# Altium PCB NMR_System_v2.PcbDoc (part 3 of 3) (continued)
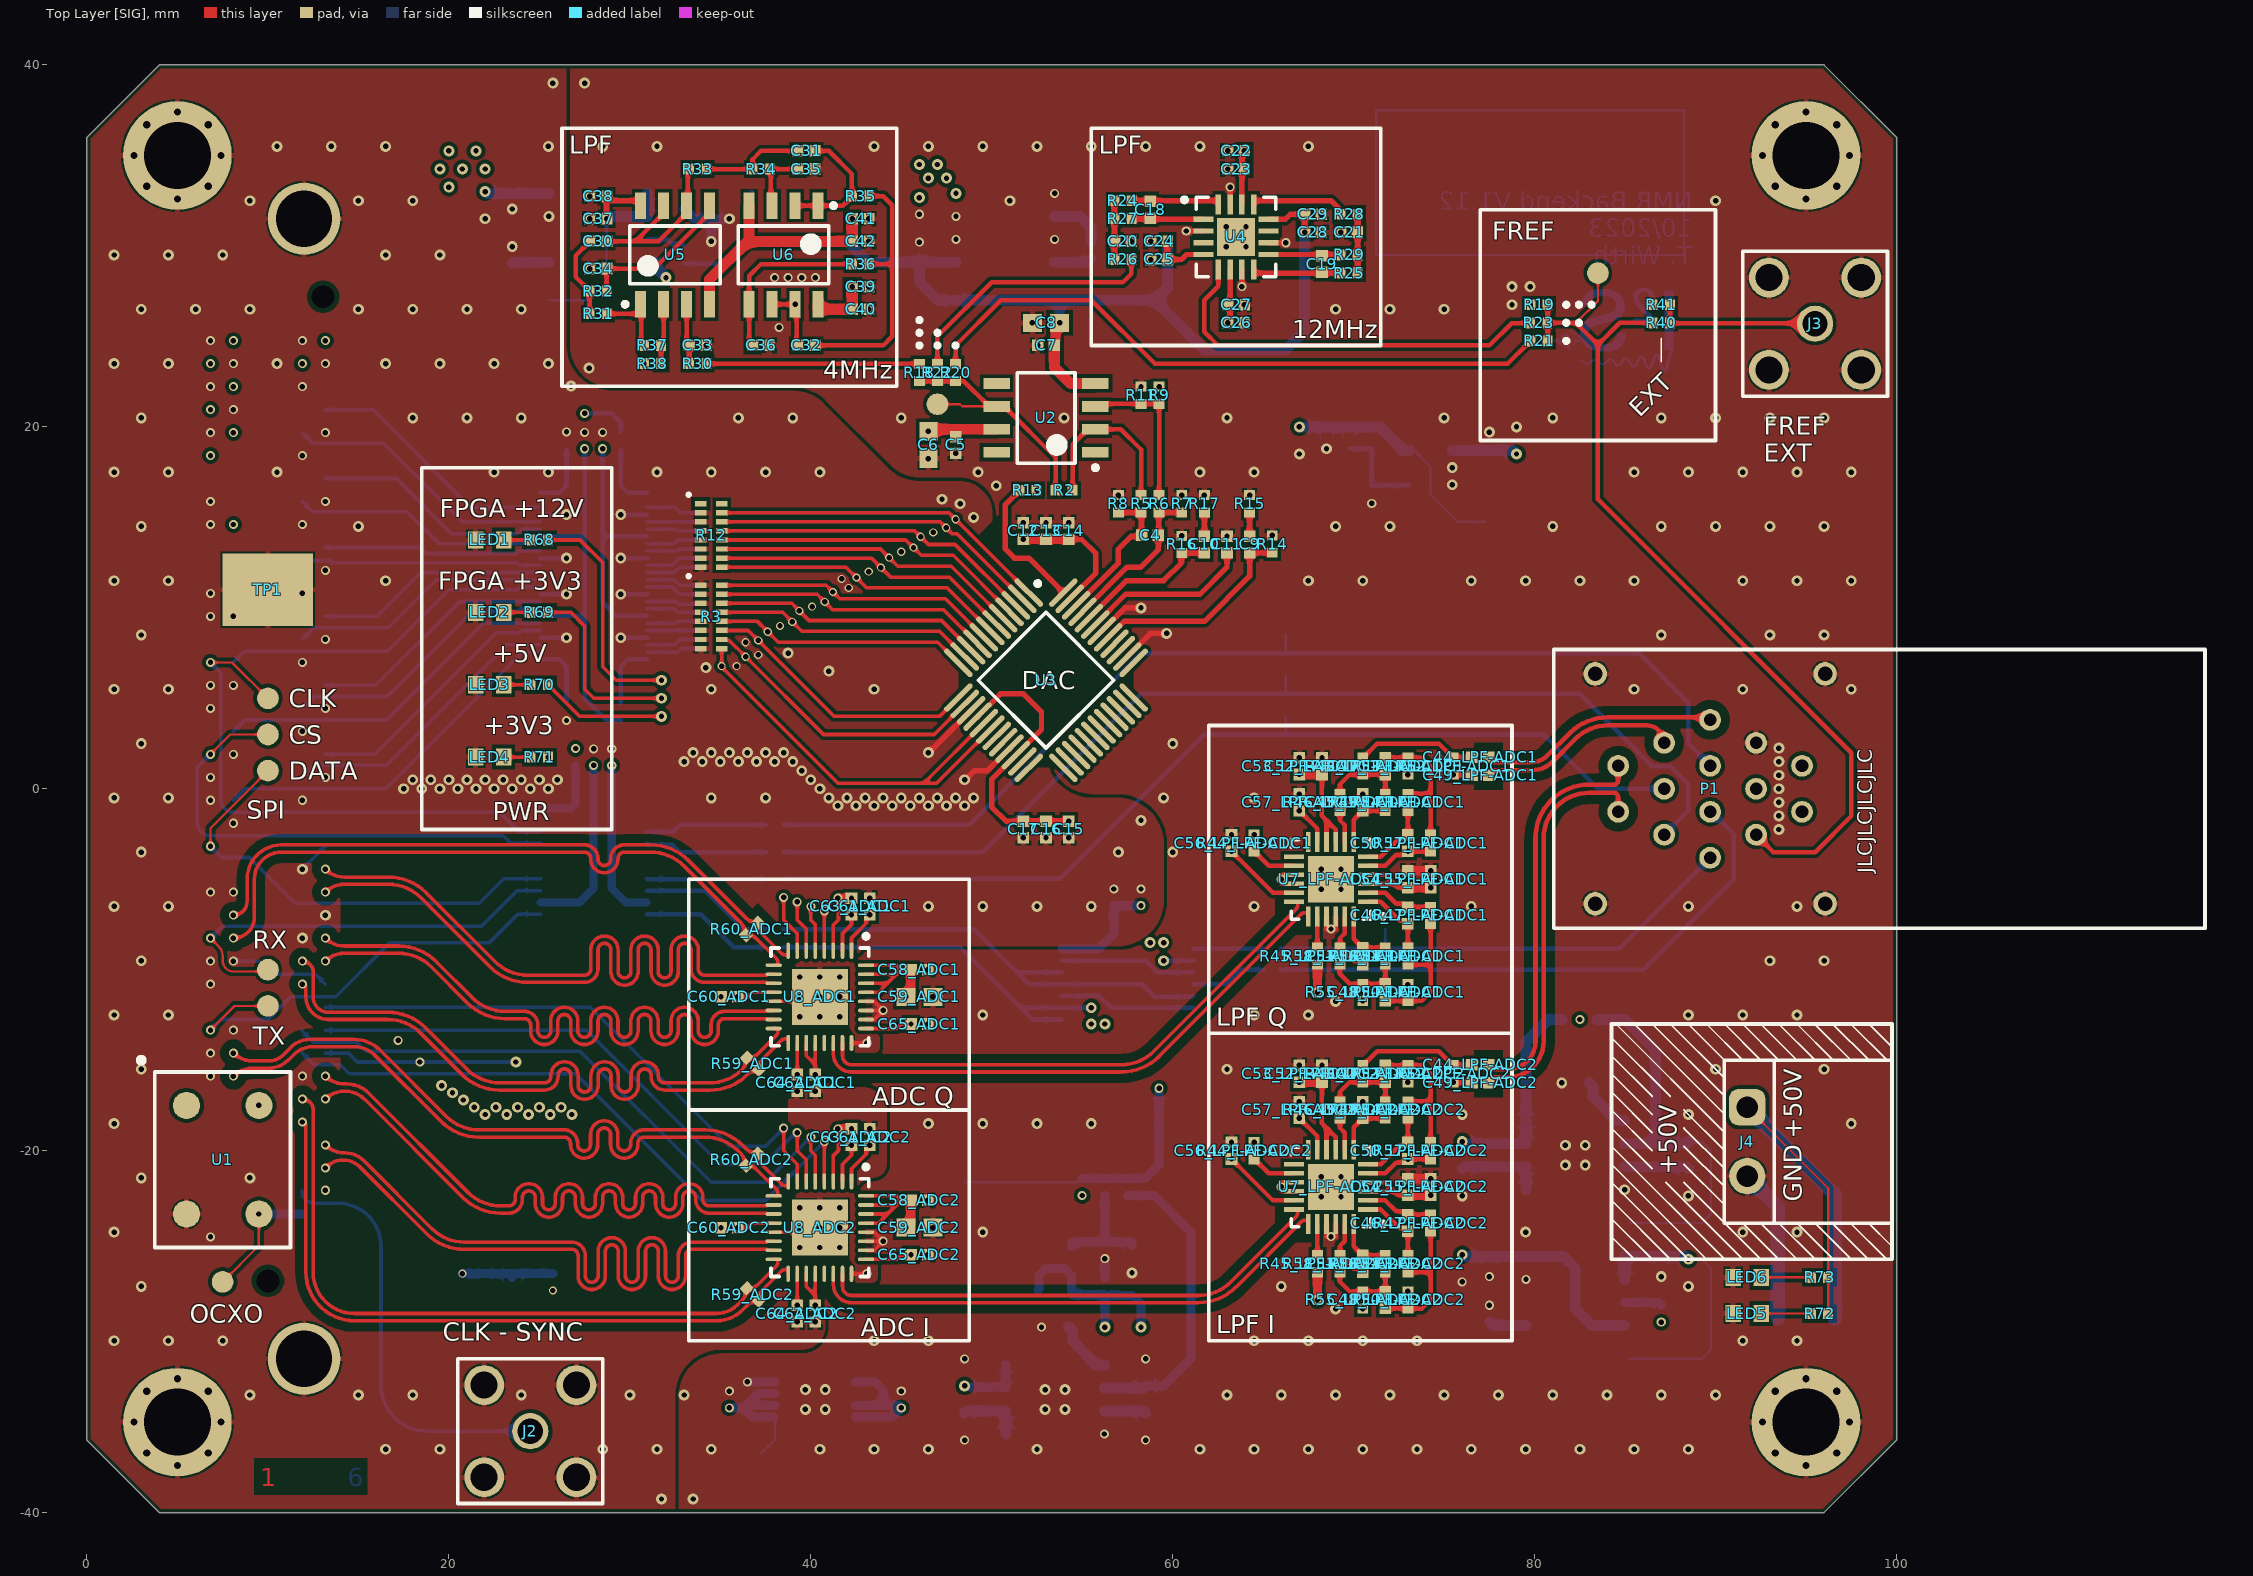
[diagram p0: Top Layer [SIG] view]
## Nets (pads, with @x,y where several pads share a name; then routed paths per layer and width w, separated by ;. In a path a pad name is that pad's centre, name@x,y a point inside that pad or via, vN(x,y) a via of type N, cw(c..) or ccw(c..) an arc to the next point about the centre after c; other vN are vias at no path point) (continued)
  Bottom Layer [SIG] w0.25: R79.2@38.475,-8.75 48.25,-8.75 51.6,-12.1 ; U15.8@53.875,-12.75 52.25,-12.75 51.6,-12.1 ; v1(55.5,-12.1) U15.9@53.875,-12.1 51.6,-12.1 ; v1(59.5,-9.5) U15.2@61.125,-9.5
TX_FMC: J1.C10 pad.3@10,-12 U18.1 | length 24.6
  Top Layer [SIG] w0.125: v2(6.825,-13.335) 8.16,-12 pad.3@10,-12
  Bottom Layer [SIG] w0.2: v2(6.825,-13.335) 7.41,-12.75 10,-12.75 11.25,-11.5 13.75,-11.5 16.75,-8.5 22.25,-8.5 23.825,-6.925 U18.1@25.075,-6.925
Vocm1: C56_LPF-ADC1.1 C56_LPF-ADC2.1 C57_LPF-ADC1.1 C57_LPF-ADC2.1 C76.1 C77.1 C78.1 pad.3@77.25,14.75 R63.2 U7_LPF-ADC1.11 U7_LPF-ADC1.17 U7_LPF-ADC2.11 U7_LPF-ADC2.17 U11.5 | length 117.3
  Top Layer [SIG] w0.25: v2(63.25,-20.46) 65.54,-22.75 U7_LPF-ADC2.17@66.7,-22.75 ; v2(63.25,-3.46) 65.54,-5.75 U7_LPF-ADC1.17@66.7,-5.75 ; v2(67,-18.21) 68,-19.21 U7_LPF-ADC2.11@68,-19.95 ; v2(67,-1.21) 68,-2.21 U7_LPF-ADC1.11@68,-2.95
  Mid Layer 3 [PWR] w0.5: v2(63.25,-20.46) 62.21,-20.46 61.5,-19.75 61.5,-18.5 63.75,-16.25 65.71,-18.21 v2(67,-18.21) ; v2(63.25,-3.46) 70.29,-3.46 72.25,-1.5 77.5,-1.5 ; v2(67,-1.21) 67.79,-1.21 71.25,2.25 77.5,2.25
  Mid Layer 3 [PWR] w1: 63.75,-16.25 66.25,-13.75 74.5,-13.75 77.5,-10.75 77.5,-1.5 77.5,2.25 77.5,5.5 73.25,9.75 73.25,17.5 70.75,20 v1(67,20)
  Bottom Layer [SIG] w0.125: U11.5@73.05,18.7 73.35,18.7 74.25,17.8 74.25,16.25 75.75,14.75 pad.3@77.25,14.75
  Bottom Layer [SIG] w0.6: v1(67,20) 71.45,20 72.75,18.7 U11.5@73.05,18.7
pads on no net: J1.C2 J1.C3 J1.C6 J1.C7 J1.C11 J1.C15 J1.C19 J1.C23 J1.C27 J1.C30 J1.C31 J1.C34 J1.D1 J1.D4 J1.D5 J1.D11 J1.D12 J1.D17 J1.D18 J1.D21 J1.D24 J1.D27 J1.D29 J1.D30 J1.D31 J1.D33 J1.D34 J1.D35 J1.G15 J1.G16 J1.G18 J1.G19 J1.G22 J1.G25 J1.G28 J1.G31 J1.G34 J1.G37 J1.H1 J1.H2 J1.H19 J1.H20 J1.H23 J1.H26 J1.H29 J1.H32 J1.H35 J1.H38 J1.MH1 J1.MH2 R10.8 R10.9 R12.1 R12.16 U1.1 U2.1 U2.5 U2.8 U3.19 U3.20 U3.23 U3.24 U3.25 U3.26 U3.27 U3.28 U3.29 U3.30 U3.31 U3.32 U3.33 U3.34 U3.35 U3.36 U3.37 U3.39 U3.40 U4.3 U4.11 U7_LPF-ADC1.12 U7_LPF-ADC1.13 U7_LPF-ADC2.12 U7_LPF-ADC2.13 U8_ADC1.21 U8_ADC2.21 U10.2 U12.4 U13.6 U16.2 U18.5 U18.6 U18.9 U18.12 U18.15 U18.16 U19.2 U19.47
copper on no net: | length 50
  Bottom Layer [SIG] w0.125: 71.25,29.5 88.25,29.5 88.25,37.5 71.25,37.5 71.25,29.5

## Polygon pours and split planes (outlines as drawn)
DGND on Mid Layer 1 [GND] "NONET_L-01_P-001" (solid, remove dead copper, pour order 30): 32.5,-33.54 cw(c35.04,-33.54) 35.04,-31 39.5,-31 ccw(c39.5,-29.7) 40.8,-29.7 40.8,-26.6 cw(c41.5,-26.6) 41.5,-25.9 cw(c41.5,-26.6) 42.2,-26.6 42.2,-27 ccw(c42.5,-27) 42.5,-27.3 43.4,-27.3 ccw(c43.4,-27) 43.7,-27 43.7,-26.4 ccw(c43.5,-26.4) 43.5,-26.2 42.7,-26.2 cw(c42.7,-26) 42.5,-26 42.5,-22.4 cw(c43.4,-22.4) 43.4,-21.5 ccw(c43.4,-20.7) 44.2,-20.7 44.2,-17.8 ccw(c42.9,-17.8) 42.9,-16.5 41.4,-16.5 cw(c41.4,-16) 40.9,-16 40.9,-13.8 cw(c41.5,-13.8) 41.5,-13.2 cw(c41.5,-13.8) 42.1,-13.8 42.1,-14.3 ccw(c42.4,-14.3) 42.4,-14.6 43.5,-14.6 ccw(c43.5,-14.3) 43.8,-14.3 43.8,-13.8 ccw(c43.5,-13.8) 43.5,-13.5 42.8,-13.5 cw(c42.8,-13.2) 42.5,-13.2 42.5,-9.6 cw(c43.4,-9.6) 43.4,-8.7 52.9,-8.7 cw(c52.9,-10.3) 54.5,-10.3 54.5,-12 ccw(c55.44,-12.06) 55.5,-13 ccw(c55.133,-7.56) 60.3,-9.3 ccw(c58.117,-8.841) 59.9,-7.5 cw(c61.493,-6.303) 59.5,-6.3 59.5,-3.04 ccw(c56.96,-3.04) 56.96,-0.5 55.54,-0.5 cw(c55.54,2.04) 53,2.04 53,9.793 ccw(c51.294,9.794) 52.5,11 50.777,12.723 cw(c52.573,14.519) 50.033,14.519 50.033,15.183 ccw(c48.216,15.183) 48.216,17 46,17 cw(c46,19.414) 44.293,17.707 40.744,21.256 ccw(c38.949,19.462) 38.948,22 29,22 cw(c29,24.5) 26.5,24.5 26.5,42 ccw(c26,42) 26,42.5 -10.46,42.5 ccw(c-10.46,39.96) -13,39.96 -13,-41.5 ccw(c-12,-41.5) -12,-42.5 32.5,-42.5
AGND on Mid Layer 1 [GND] "NONET_L-01_P-001" (solid, remove dead copper, pour order 31): 25.5,-44 25.5,45 103,45 103,-44
+5V on Mid Layer 3 [PWR] "NONET_L-01_P-001" (solid, remove dead copper, pour order 24): 102.46,44 cw(c102.46,41.46) 105,41.46 105,-40.46 cw(c102.46,-40.46) 102.46,-43 33.54,-43 cw(c32.52,-38.98) 28.5,-40 25.5,42 cw(c30.52,38.98) 33.54,44
+12V_FMC on Mid Layer 3 [PWR] "NONET_L-01_P-001" (solid, remove dead copper, pour order 19): 37,43 -5,43 -5,-47 78,-47 78,-26.54 ccw(c75.46,-26.54) 75.46,-24 74.54,-24 ccw(c74.54,-26.54) 72,-26.54 72,-34 cw(c69.5,-34) 69.5,-36.5 32.5,-36.5 cw(c32.5,-34) 30,-34 30,-31.5 ccw(c27,-31.5) 27,-28.5 13,-28.5 cw(c13,-25.5) 10,-25.5 10,11 ccw(c9,11) 9,12 7,12 cw(c7,13) 6,13 6,17 cw(c6.5,17) 6.5,17.5 ccw(c6.5,18.5) 7.5,18.5 7.5,20.5 ccw(c6.5,20.5) 6.5,21.5 cw(c6.5,22) 6,22 6,25 cw(c9,25) 9,28 24,28 cw(c24,26) 26,26 ccw(c27,26) 27,25 34,25 ccw(c33.73,28.27) 37,28.54
+3V3 on Mid Layer 3 [PWR] "NONET_L-01_P-001" (solid, remove dead copper, pour order 23): 57,-12 57,-15 ccw(c59,-15) 59,-17 ccw(c59,-15) 61,-15 61,15.46 ccw(c58.46,15.46) 58.46,18 53,18 ccw(c53,17) 52,17 52,16 ccw(c53,16) 53,15 55,15 cw(c55,14) 56,14 56,3 cw(c55,3) 55,2 54.54,2 ccw(c54.54,-0.54) 52,-0.54 52,-5
+3V3_FMC on Mid Layer 3 [PWR] "NONET_L-01_P-001" (solid, remove dead copper, pour order 22): 27,29 27,1 25,1 25,21.75 12.5,21.75 10.75,23 10.75,29 4,29 4,-33.46 ccw(c3.27,-29.23) 7.5,-28.5 30,-28.5 ccw(c30,-25.5) 33,-25.5 33,-9 cw(c36,-9) 36,-6 50,-6 cw(c50,-9) 53,-9 53,-22 ccw(c55,-22) 55,-24 ccw(c55,-22) 57,-22 57,-7 ccw(c53,-7) 53,-3 39.54,-3 cw(c39.54,-0.46) 37,-0.46 37,29
FMC_VADJ on Mid Layer 3 [PWR] "NONET_L-01_P-001" (solid, remove dead copper, pour order 21): 10,29.098 10,23.54 ccw(c12.54,23.54) 12.54,21 21.46,21 cw(c21.46,18.46) 24,18.46 24,2.5 ccw(c26.5,2.5) 26.5,0 28,0 ccw(c28,0.5) 28.5,0.5 28.5,3 ccw(c28,3) 28,3.5 cw(c28,4) 27.5,4 27.5,16.396 cw(c28.354,16.396) 27.75,17 ccw(c27.147,17.603) 28,17.604 28,29.098
AGND on Top Layer [SIG] "NONET_L-01_P-001" (solid, remove dead copper, pour order 29): 25.5,-44 25.5,45 103,45 103,-44
DGND on Top Layer [SIG] "NONET_L-01_P-001" (solid, remove dead copper, pour order 28): 32.5,-33.54 cw(c35.04,-33.54) 35.04,-31 39.5,-31 ccw(c39.5,-29.7) 40.8,-29.7 40.8,-26.6 cw(c41.5,-26.6) 41.5,-25.9 cw(c41.5,-26.6) 42.2,-26.6 42.2,-27 ccw(c42.5,-27) 42.5,-27.3 43.4,-27.3 ccw(c43.4,-27) 43.7,-27 43.7,-26.4 ccw(c43.5,-26.4) 43.5,-26.2 42.7,-26.2 cw(c42.7,-26) 42.5,-26 42.5,-22.4 cw(c43.4,-22.4) 43.4,-21.5 ccw(c43.4,-20.7) 44.2,-20.7 44.2,-17.8 ccw(c42.9,-17.8) 42.9,-16.5 41.4,-16.5 cw(c41.4,-16) 40.9,-16 40.9,-13.8 cw(c41.5,-13.8) 41.5,-13.2 cw(c41.5,-13.8) 42.1,-13.8 42.1,-14.3 ccw(c42.4,-14.3) 42.4,-14.6 43.5,-14.6 ccw(c43.5,-14.3) 43.8,-14.3 43.8,-13.8 ccw(c43.5,-13.8) 43.5,-13.5 42.8,-13.5 cw(c42.8,-13.2) 42.5,-13.2 42.5,-9.6 cw(c43.4,-9.6) 43.4,-8.7 56.96,-8.7 ccw(c56.96,-6.16) 59.5,-6.16 59.5,-3.04 ccw(c56.96,-3.04) 56.96,-0.5 55.54,-0.5 cw(c55.54,2.04) 53,2.04 53,9.793 ccw(c51.293,9.793) 52.5,11 50.777,12.723 cw(c52.573,14.519) 50.033,14.519 50.033,15.183 ccw(c48.216,15.183) 48.216,17 46,17 cw(c46,19.414) 44.293,17.707 40.744,21.256 ccw(c38.948,19.46) 38.948,22 29,22 cw(c29,24.5) 26.5,24.5 26.5,42 ccw(c26,42) 26,42.5 -10.46,42.5 ccw(c-10.46,39.96) -13,39.96 -13,-41.5 ccw(c-12,-41.5) -12,-42.5 32.5,-42.5
DGND on Mid Layer 4 [GND] "NONET_L-01_P-001" (solid, remove dead copper, pour order 38): 32.5,-33.54 cw(c35.04,-33.54) 35.04,-31 42,-31 ccw(c42,-29.4) 43.6,-29.4 43.6,-11.84 cw(c46.14,-11.84) 46.14,-9.3 46.7,-9.3 cw(c46.7,-11.714) 48.407,-10.007 50.906,-12.506 ccw(c52.702,-10.71) 52.702,-13.25 84.698,-13.25 ccw(c84.698,-10.71) 86.494,-12.506 95.256,-3.744 ccw(c93.46,-1.948) 96,-1.948 96,1.698 ccw(c93.46,1.698) 95.256,3.494 86.5,12.25 ccw(c85.293,11.043) 85.293,12.75 53.052,12.75 cw(c53.052,15.29) 51.256,13.494 48.744,16.006 ccw(c46.948,14.21) 46.948,16.75 35.552,16.75 cw(c35.552,19.29) 34.266,17.1 30,21.5 ccw(c28.529,19.808) 29,22 cw(c29,24.5) 26.5,24.5 26.5,42.5 -6.75,42.5 -6.75,-41 32.5,-41
AGND on Mid Layer 4 [GND] "NONET_L-01_P-001" (solid, remove dead copper, pour order 39): 24.25,44.75 105.5,44.75 105.5,-48.75 24.25,-48.75
AGND on Mid Layer 4 [GND] "NONET_L-01_P-001" (solid, remove dead copper, pour order 37): 62,-0.29 cw(c64.54,-0.29) 64.54,2.25 76.948,2.25 cw(c76.948,-0.29) 78.744,1.506 84.5,-4.25 cw(c83.293,-5.457) 85,-5.457 85,-6 cw(c83,-6) 83,-8 64.54,-8 cw(c64.54,-5.46) 62,-5.46
+12V_FMC on Bottom Layer [SIG] "NONET_L-01_P-001" (solid, pour order 34): 24.8,32.475 20.025,32.475 19,33.5 19,35 20,36 21.5,36 24.8,33.25
AGND on Bottom Layer [SIG] "NONET_L-01_P-001" (solid, remove dead copper, pour order 42): 24.25,-9 86,-9 89.367,-5.633 89,4.25 24.25,4.25 24.25,44.75 105.5,44.75 105.5,-48.75 24.25,-48.75
DGND on Bottom Layer [SIG] "NONET_L-01_P-001" (solid, remove dead copper, pour order 41): 32.5,-33.54 cw(c35.04,-33.54) 35.04,-31 42,-31 ccw(c42,-29.4) 43.6,-29.4 43.6,-11.84 cw(c46.14,-11.84) 46.14,-9.3 46.7,-9.3 cw(c46.7,-11.714) 48.407,-10.007 50.906,-12.506 ccw(c52.702,-10.71) 52.702,-13.25 84.698,-13.25 ccw(c84.698,-10.71) 86.494,-12.506 95.256,-3.744 ccw(c93.46,-1.948) 96,-1.948 96,1.698 ccw(c93.46,1.698) 95.256,3.494 86.5,12.25 ccw(c85.293,11.043) 85.293,12.75 53.052,12.75 cw(c53.052,15.29) 51.256,13.494 48.744,16.006 ccw(c46.948,14.21) 46.948,16.75 35.552,16.75 cw(c35.552,19.29) 33.756,17.494 30,21.5 ccw(c28.897,20.543) 29,22 cw(c29,24.5) 26.5,24.5 26.5,42.5 -6.75,42.5 -6.75,-41 32.5,-41
+5V on Bottom Layer [SIG] "NONET_L-01_P-001" (solid, pour order 35): 30.25,32.605 30.25,34.25 31,35 47.5,35 48.75,33.75 48.75,32.605
AGND on Bottom Layer [SIG] "NONET_L-01_P-001" (solid, remove dead copper, pour order 36): 62,-0.29 cw(c64.54,-0.29) 64.54,2.25 76.948,2.25 cw(c76.948,-0.29) 78.744,1.506 84.5,-4.25 cw(c83.293,-5.457) 85,-5.457 85,-6 cw(c83,-6) 83,-8 64.54,-8 cw(c64.54,-5.46) 62,-5.46

## Other copper
Top Layer [SIG]:
  pour cut-out: 14,-3.1 14,-21.6 12.1,-21.6 12.1,-26.86 ccw(c14.64,-26.86) 14.64,-29.4 34.772,-29.4 38.75,-25.422 38.75,-8.95 33.044,-3.244 ccw(c31.248,-5.04) 31.248,-2.5 14.1,-2.5
  pour cut-out: 40.77,-16.31 41.19,-16.31 41.25,-16.25
  pour cut-out: 49,13.75 50.75,15.5 50.75,14.79 51.75,13.79 50.46,12.5 50.25,12.5
  pour cut-out: 53.955,10.844 57.844,6.955 57.844,5.045 53.955,1.156 52.045,1.156 48.156,5.045 48.156,6.955 52.045,10.844
  text "1" at 9.583,-38.55 h1
Mid Layer 2 [SIG]:
  text "3" at 11.417,-38.55 h1
Mid Layer 1 [GND]:
  text "2" at 10.417,-38.55 h1
Mid Layer 3 [PWR]:
  pour cut-out: 33.25,-25.5 33.25,-26.164 cw(c30.71,-26.164) 30.71,-28.704 28.804,-28.704 cw(c28.804,-30.15) 30.25,-30.15 30.25,-33.96 ccw(c32.79,-33.96) 32.79,-36.5 39.5,-36.5 cw(c39.5,-35.25) 38.25,-35.25 38.25,-29.25 38.98,-28.54 39.191,-28.599 39.25,-27 38.25,-27.658 cw(c39.575,-25.675) 37.592,-27 cw(c36.796,-22.998) 36,-27 cw(c35.129,-23.631) 33.363,-26.629
  pour cut-out: 43.21,-6 40.46,-8.75 35.5,-8.75 33.676,-10.5 33.204,-10.258 33.21,-8.75 33.676,-7.447 35.25,-6.25
  text "4" at 12.417,-38.55 h1
Mid Layer 4 [GND]:
  text "5" at 13.417,-38.55 h1
Bottom Layer [SIG]:
  pour cut-out: 60.1,-8.4 ccw(c60.1,-6.704) 61.796,-6.704 61.796,-0.04 ccw(c61.006,-0.04) 61.006,0.75 60.356,0.75 ccw(c60.356,-0.185) 59.695,0.476 61.887,2.669 62.398,2.669 62.398,1.442 61.898,0.491 61.901,-8.389
  pour cut-out: 80.3,28.898 80.3,21.948 88.852,21.948 88.852,28.898
  region net AGND: 86.448,26.207 86.377,26.277 86.361,26.286 86.34,26.314 86.262,26.393 86.245,26.401 86.225,26.43 86.2,26.455 86.192,26.471 86.147,26.516 86.13,26.525 86.122,26.541 86.105,26.549 86.076,26.578 86.072,26.591 86.056,26.599 86.035,26.628 86.002,26.661 85.994,26.677 85.969,26.702 85.961,26.718 85.949,26.739 85.932,26.747 85.911,26.768 85.903,26.784 85.878,26.809 85.87,26.826 85.846,26.85 85.813,26.908 85.771,26.982 85.755,27.024 85.747,27.065 85.73,27.106 85.726,27.184 85.738,27.263 85.755,27.304 85.763,27.337 85.804,27.378 85.825,27.415 85.858,27.424 85.891,27.457 85.924,27.465 86.171,27.457 86.204,27.424 86.229,27.415 86.283,27.362 86.291,27.329 86.307,27.312 86.324,27.213 86.332,27.156 86.592,27.151 86.612,27.172 86.6,27.25 86.592,27.316 86.575,27.358 86.555,27.403 86.546,27.436 86.513,27.469 86.505,27.485 86.419,27.572 86.377,27.597 86.32,27.621 86.245,27.654 86.175,27.667 86.126,27.675 85.94,27.679 85.916,27.671 85.883,27.663 85.796,27.642 85.784,27.63 85.751,27.621 85.693,27.588 85.648,27.56 85.643,27.547 85.627,27.539 85.573,27.485 85.565,27.469 85.54,27.444 85.52,27.391 85.499,27.37 85.491,27.337 85.479,27.242 85.466,27.197 85.474,27.04 85.483,27.015 85.491,26.958 85.499,26.925 85.524,26.9 85.532,26.867 85.557,26.826 85.627,26.723 85.639,26.71 85.648,26.694 85.66,26.673 85.676,26.665 85.689,26.652 85.697,26.636 85.722,26.611 85.73,26.595 85.742,26.582 85.755,26.578 85.763,26.562 85.804,26.521 85.813,26.504 86.163,26.154 86.179,26.145 86.241,26.083 86.25,26.067 86.262,26.055 86.278,26.046 86.307,26.026 86.299,26.001 86.262,25.989 85.462,25.98 85.45,25.968 85.458,25.91 85.462,25.799 85.495,25.791 86.625,25.799 86.637,25.836 86.629,25.861 86.633,25.997 86.625,26.03 86.542,26.112 86.526,26.121 86.513,26.133 86.505,26.149 86.452,26.203
  region net AGND: 82.145,24.917 82.129,24.9 82.112,24.892 82.067,24.855 82.059,24.822 82.055,24.809 81.948,24.801 81.915,24.768 81.882,24.76 81.861,24.739 81.869,24.698 81.902,24.673 81.91,24.657 81.923,24.644 82.014,24.636 82.026,24.624 82.051,24.583 82.063,24.57 82.108,24.566 82.216,24.574 82.236,24.595 82.24,24.599 82.257,24.616 82.265,24.64 82.298,24.673 82.29,24.69 82.265,24.698 82.249,24.739 82.253,24.752 82.294,24.768 82.352,24.776 82.385,24.768 82.401,24.76 82.413,24.748 82.405,24.731 82.393,24.719 82.315,24.706 82.319,24.694 82.352,24.702 82.401,24.686 82.455,24.715 82.463,24.748 82.438,24.789 82.418,24.809 82.385,24.818 82.327,24.801 82.306,24.822 82.298,24.855 82.29,24.871 82.277,24.884 82.187,24.925 hole: 82.178,24.884 82.211,24.875 82.249,24.838 82.244,24.818 82.211,24.809 82.187,24.818 82.125,24.805 82.108,24.797 82.096,24.768 82.063,24.76 82.055,24.719 82.038,24.702 82.005,24.694 81.915,24.702 81.91,24.723 81.931,24.76 82.055,24.768 82.059,24.789 82.059,24.797 82.063,24.809 82.088,24.818 82.1,24.83 82.108,24.847 82.121,24.859 82.137,24.867 hole: 82.191,24.764 82.224,24.756 82.232,24.739 82.22,24.727 82.216,24.723 82.187,24.694 82.162,24.702 82.137,24.694 82.112,24.702 82.1,24.715 82.112,24.76 hole: 82.195,24.686 82.228,24.677 82.232,24.657 82.195,24.603 82.162,24.603 82.137,24.595 82.092,24.607 82.067,24.616 82.075,24.649 82.166,24.657
  region net AGND: 82.756,24.892 82.739,24.908 82.665,24.941 82.632,24.933 82.591,24.908 82.578,24.896 82.57,24.871 82.583,24.851 82.624,24.834 82.665,24.809 82.69,24.818 82.714,24.842 82.76,24.855 82.768,24.871 82.76,24.888
  region net AGND: 82.537,24.995 82.545,25.003 82.525,25.032 82.484,25.049 82.467,25.065 82.434,25.073 82.385,25.04 82.356,25.028 82.364,24.978 82.413,24.954 82.451,24.941 82.508,24.966 82.525,24.974 82.537,24.987
  region net AGND: 82.294,25.164 82.277,25.172 82.22,25.197 82.203,25.189 82.145,25.156 82.133,25.135 82.17,25.09 82.228,25.073 82.277,25.082 82.323,25.119 82.315,25.152 82.298,25.16
  region net AGND: 368 vertices and 0 holes, not listed, extent 82.489,23.028 87.66,27.539
  region net AGND: 329 vertices and 0 holes, not listed, extent 82.514,24.166 85.046,27.621
  region net AGND: 81.222,24.875 81.205,24.859 81.172,24.851 81.156,24.842 81.152,24.805 81.176,24.781 81.156,24.776 81.139,24.801 81.106,24.809 81.082,24.818 81.073,24.785 81.069,24.764 81.09,24.735 81.123,24.727 81.148,24.702 81.181,24.694 81.214,24.661 81.255,24.653 81.288,24.62 81.329,24.603 81.37,24.578 81.387,24.57 81.403,24.554 81.457,24.533 81.486,24.504 81.519,24.496 81.535,24.488 81.56,24.463 81.614,24.442 81.634,24.422 81.659,24.414 81.684,24.389 81.717,24.381 81.733,24.372 81.766,24.339 81.807,24.331 81.832,24.306 81.873,24.29 81.89,24.273 81.943,24.253 81.956,24.24 81.968,24.253 81.96,24.31 81.948,24.323 81.915,24.331 81.902,24.343 81.906,24.364 81.923,24.372 81.948,24.397 81.989,24.414 82.005,24.422 82.009,24.442 81.964,24.488 81.906,24.496 81.857,24.488 81.811,24.451 81.803,24.434 81.783,24.422 81.696,24.467 81.713,24.508 81.733,24.529 81.774,24.537 81.787,24.55 81.778,24.583 81.758,24.603 81.725,24.611 81.7,24.636 81.68,24.64 81.651,24.611 81.609,24.595 81.597,24.583 81.572,24.541 81.568,24.537 81.51,24.578 81.494,24.587 81.477,24.603 81.436,24.62 81.432,24.624 81.445,24.636 81.519,24.644 81.556,24.673 81.564,24.706 81.556,24.723 81.515,24.739 81.494,24.76 81.445,24.752 81.428,24.735 81.387,24.719 81.374,24.706 81.37,24.661 81.346,24.669 81.329,24.686 81.271,24.719 81.267,24.723 81.263,24.727 81.251,24.731 81.259,24.756 81.3,24.772 81.313,24.785 81.329,24.793 81.35,24.814 81.341,24.847 81.3,24.863 81.288,24.875 81.255,24.884 hole: 81.634,24.521 81.651,24.513 81.655,24.5 81.642,24.488 81.626,24.496 81.622,24.5 81.622,24.508 hole: 81.849,24.397 81.861,24.385 81.857,24.381 81.853,24.376 81.832,24.372 81.828,24.393
  region net AGND: 81.667,25.131 81.626,25.106 81.609,25.09 81.568,25.082 81.535,25.049 81.502,25.04 81.486,25.024 81.432,24.995 81.44,24.97 81.49,24.945 81.494,24.941 81.51,24.925 81.552,24.908 81.601,24.875 81.692,24.826 81.708,24.809 81.75,24.818 81.774,24.842 81.882,24.9 81.956,24.941 81.968,24.954 81.976,24.987 81.956,25.007 81.915,25.024 81.898,25.04 81.882,25.049 81.869,25.061 81.861,25.077 81.849,25.09 81.832,25.098 81.799,25.131 81.766,25.139 81.75,25.156 81.717,25.164 hole: 81.725,25.024 81.787,24.995 81.778,24.97 81.746,24.962 81.733,24.95 81.708,24.958 81.663,24.987 81.667,24.991 81.671,24.995 81.684,25.007
  region net AGND: 82.071,25.288 82.022,25.321 81.981,25.312 81.964,25.296 81.931,25.288 81.915,25.279 81.91,25.251 81.923,25.238 81.964,25.213 82.005,25.197 82.055,25.205 82.079,25.23 82.117,25.251 82.108,25.275 82.079,25.288
  pour cut-out: 30.925,-5.625 34.125,-5.625 36.25,-7.75 49,-7.75 52.05,-10.8 53.875,-10.8 53.875,-12.75 53.875,-13.125 54.204,-13.454 51.854,-13.454 47.712,-9.312 45.23,-9.312 43.9,-10.643 43.75,-10.493 43.75,-8.75 35.75,-8.75 33.925,-6.925 31.575,-6.925 30.925,-6.275
  pour cut-out: 26.5,18.775 26.5,16.75 26.1,16.35 26.1,7.15 26.5,6.75 26.5,4.725 29.5,4.725 29.5,6.75 29.9,7.15 29.9,16.35 29.5,16.75 29.5,18.775
  pour cut-out: 12.3,-12.065 12.3,-15 13.05,-15.75 27,-15.75 34,-22.75 37.5,-22.75 40.75,-19.5 39.25,-19.5 38.5,-18.75 37.5,-19.75 35.5,-19.75 27.815,-12.065
  pour cut-out: 24.5,15.55 21.2,15.55 15.795,20.955 11.905,20.955 11.905,7.655 11.75,7.5 11.65,7.6 8.71,7.6 8.1,6.99 8.1,-1.3 16.45,-1.3 16.5,-1.25 16.5,0 24.05,7.55 24.5,7.55
  pour cut-out: 8.1,-1.3 22.8,-1.3 23.875,-2.375 25.075,-2.375 25.075,-5.675 22.25,-8.5 16.75,-8.5 13.75,-11.5 11.25,-11.5 10,-12.75 8,-12.75
  pour cut-out: 25.075,-1.25 25.075,-6.925 30.925,-6.925 30.925,-1.25
  pour cut-out: 30.83,-2.28 30.83,-4.88 53.68,-4.88 61.655,3.095 80.405,3.095 85.945,-2.445 88.335,-2.445 89.605,-1.175 89.605,3.905 89.345,3.905 85.655,7.595 58.155,7.595 48.655,-1.905 32.655,-1.905 32.28,-2.28
  pour cut-out: 34.125,-5.625 36.25,-7.75 42.25,-7.75 42.25,-5.25 42,-5 34,-5
  pour cut-out: 53.875,-9.5 58.5,-9.5 59.15,-10.15 60.5,-10.15 60.5,-13.454 54.204,-13.454 53.875,-13.125
  pour cut-out: 61.125,-8.85 61.125,-10.8 62.95,-10.8 63.75,-10 86,-10 91,-5 91,-2.5 89.77,-1.27 88.43,-1.27 87.16,-2.54 88.43,-3.81 89.7,-3.81 84.66,-8.85
  pour cut-out: 32.75,12.25 32.75,11.25 41,11.25 41,12.25
  text "NMR Backend V1.12 / 10/2023 / T. Wirth" at 88.75,29 h1
  text "6" at 14.417,-38.55 h1
Multi-Layer:
  pour cut-out: 9.25,-37 15.5,-37 15.5,-39 9.25,-39

## Silkscreen, mask and mechanical layers (free items; w line width, h text height)
Top Overlay:
  circle w0.254: c81.75,24.75 r0.1
  circle w0.254: c82.45,25.75 r0.1
  circle w0.254: c81.75,25.75 r0.1
  circle w0.254: c82.45,26.75 r0.1
  circle w0.254: c81.75,26.75 r0.1
  circle w0.254: c83.15,26.75 r0.1
  circle w0.254: c48,24.5 r0.1
  circle w0.254: c47,25.2 r0.1
  circle w0.254: c47,24.5 r0.1
  circle w0.254: c46,25.2 r0.1
  circle w0.254: c46,24.5 r0.1
  circle w0.254: c46,25.9 r0.1
  lines w0.1: 84.25,-24.75 85.5,-26 ; 84.25,-23.75 86.5,-26 ; 84.25,-22.75 87.5,-26 ; 84.25,-21.75 88.5,-26 ; 84.25,-20.75 89.5,-26 ; 84.25,-19.75 90.5,-26 ; 84.25,-18.75 86.5,-21 ; 84.25,-17.75 86.5,-20 ; 84.25,-16.75 86.5,-19 ; 84.25,-15.75 86.5,-18 ; 84.25,-14.75 86.5,-17 ; 84.25,-13.75 87.5,-17 ; 84.5,-13 90.5,-19 ; 85.5,-13 90.5,-18 ; 86.5,-13 90.5,-17 ; 87,23.6 87,24.9 ; 87.25,-21.75 91.5,-26 ; 87.5,-13 90.5,-16 ; 88.25,-21.75 90.48,-23.98 ; 88.25,-20.75 90.5,-23 ; 88.25,-19.75 90.5,-22 ; 88.25,-18.75 90.5,-21 ; 88.25,-17.75 90.5,-20 ; 88.5,-13 90.488,-14.987 ; 89.5,-13 91.5,-15 ; 90.48,-24.005 90.48,-23.98 ; 90.5,-13 92.5,-15 ; 91.48,-23.98 93.5,-26 ; 91.5,-13 93.5,-15 ; 92.48,-23.98 94.5,-26 ; 92.5,-26 90.48,-23.98 ; 92.5,-13 94.5,-15 ; 93.48,-23.98 95.5,-26 ; 93.5,-13 95.5,-15 ; 94.48,-23.98 96.5,-26 ; 94.5,-13 96.5,-15 ; 95.48,-23.98 97.5,-26 ; 95.484,-13.008 97.484,-15.008 ; 96.429,-23.974 98.449,-25.994 ; 96.484,-13.008 98.484,-15.008 ; 97.429,-23.974 99.449,-25.994 ; 97.484,-13.008 99.484,-15.008 ; 98.429,-23.974 99.75,-25.295 99.75,-25.5 ; 98.484,-13.008 99.738,-14.262 ; 86.5,-20 86.5,-20 ; 90.5,-23 90.5,-23 ; 90.5,-21.75 90.5,-21.75
  lines w0.2: 33.25,-17.75 48.75,-17.75 ; 62,-13.5 78.75,-13.5 ; 62,-13.5 62,-30.5 78.75,-30.5 78.75,-13.5 ; 62,-13.5 78.75,-13.5 ; 62,-13.5 62,3.5 78.75,3.5 78.75,-13.5 ; 18.5,-2.25 29,-2.25 29,17.75 18.5,17.75 18.5,-2.25 ; 26.25,22.25 44.75,22.25 44.75,36.5 26.25,36.5 26.25,22.25 ; 33.25,-30.5 48.75,-30.5 48.75,-5 33.25,-5 33.25,-30.5 ; 55.5,24.5 71.5,24.5 71.5,36.5 55.5,36.5 55.5,24.5 ; 77,19.25 90,19.25 90,32 77,32 77,19.25 ; 84.25,-26 84.25,-13 99.75,-13 99.75,-26 84.25,-26
  text "LPF" at 26.653,35.097 h1
  text "LPF" at 55.903,35.097 h1
  text "FREF" at 77.653,30.347 h1
  text "12MHz" at 66.598,24.903 h1
  text "4MHz" at 40.682,22.653 h1
  text "EXT" at 85.822,20.475 h1 r45
  text "FREF  / EXT" at 92.658,18.064 h1
  text "FPGA +12V" at 19.501,15 h1
  text "FPGA +3V3" at 19.418,11 h1
  text "+5V" at 22.417,7 h1
  text "DAC" at 51.667,5.5 h1
  text "CLK" at 11.153,4.5 h1
  text "+3V3" at 21.917,3 h1
  text "CS" at 11.153,2.5 h1
  text "DATA" at 11.153,0.5 h1
  text "SPI" at 8.834,-1.653 h1
  text "PWR" at 22.417,-1.75 h1
  text "JLCJLCJLCJLC" at 98.65,-4.665 h0.8 r90
  text "RX" at 9.167,-8.847 h1
  text "LPF Q" at 62.403,-13.097 h1
  text "TX" at 9.167,-14.153 h1
  text "ADC Q" at 43.4,-17.5 h1
  text "+50V" at 94.75,-19.333 h1 r90
  text "+50V" at 87.865,-21.333 h1 r90
  text "GND" at 94.75,-22.833 h1 r90
  text "OCXO" at 5.667,-29.5 h1
  text "LPF I" at 62.403,-30.097 h1
  text "ADC I" at 42.75,-30.25 h1
  text "CLK - SYNC" at 19.668,-30.5 h1
Bottom Overlay:
  lines w0.1: 54.75,-20 55,-20 55,-20.75 ; 56,-18.25 56.25,-18.25 56.25,-20.75 ; 57.25,-16.5 57.5,-16.5 57.5,-20.75 ; 82.7,0 86.2,0 ; 90.2,-2 91.2,-3.25 91.2,-4.75 ; 90.2,2 91.2,3.25 91.2,4.75 ; 93.2,0 97.45,0 ; 93.5,-26.75 94.25,-27.5 ; 93.5,-25.75 95.25,-27.5 ; 93.5,-24.75 96.25,-27.5 ; 93.5,-23.75 97.25,-27.5 ; 93.5,-22.75 98.25,-27.5 ; 93.5,-21.75 99.25,-27.5 ; 93.5,-20.75 99.75,-27 ; 93.5,-19.75 99.75,-26 ; 93.5,-18.75 95.75,-21 ; 93.5,-17.75 95.75,-20 ; 93.5,-16.75 95.75,-19 ; 93.5,-15.75 95.75,-18 ; 93.5,-14.75 95.75,-17 ; 93.5,-13.75 96.75,-17 ; 93.5,-12.75 99.75,-19 ; 93.5,-11.5 93.5,-11.75 99.75,-18 ; 94.25,-11.5 99.75,-17 ; 95,-11.5 95.25,-11.5 99.75,-16 ; 96.25,-11.5 99.75,-15 ; 96.5,-21.75 99.75,-25 ; 97.25,-11.5 99.75,-14 ; 97.5,-21.75 99.73,-23.98 ; 97.5,-20.75 99.75,-23 ; 97.5,-19.75 99.75,-22 ; 97.5,-18.75 99.75,-21 ; 97.5,-17.75 99.75,-20 ; 98.25,-11.5 99.75,-13 ; 99.25,-11.5 99.75,-12 ; 95.75,-20 95.75,-20
  lines w0.2: 90.25,-11.5 90.25,-27.5 93.5,-27.5 ; 90.25,-11.5 93.5,-11.5 ; 90.25,-11.5 74.25,-11.5 74.25,-32.75 90.25,-32.75 90.25,-11.5 ; 93.5,-27.5 93.5,-11.5 ; 93.5,-27.5 99.73,-27.5 99.73,-11.5 93.5,-11.5 ; 93.5,-27.5 93.5,-11.5 ; 80.5,-9.5 99.75,-9.5 99.75,9 80.5,9 80.5,-9.5
  text "+5V" at 29.583,26.5 h1
  text "-5V" at 52.083,26.5 h1
  text "CMV" at 75.583,20.25 h1
  text "+2V5" at 76.083,14.25 h1
  text "CLK" at 65.097,8 h1
  text "CLK" at 91.545,7.595 h1 r90
  text "Q-" at 88.545,6.095 h1 r90
  text "CS" at 65.097,5.75 h1
  text "GND" at 94.295,5.083 h1 r90
  text "+50V" at 96.795,4.445 h1 r90
  text "Q+" at 86.045,4.345 h1 r90
  text "+5V/+3V3" at 98.795,3.832 h1 r90
  text "DATA" at 65.097,3.5 h1
  text "I-" at 83.795,2.655 h1 r90
  text "DATA" at 82.295,1.833 h1 r90
  text "+50V" at 96.795,-0.805 h1 r90
  text "I+" at 83.95,-2.25 h1 r90
  text "FREF" at 94.295,-2.417 h1 r90
  text "CS" at 86.045,-3.655 h1 r90
  text "TX" at 91.545,-4.905 h1 r90
  text "RX" at 88.545,-5.155 h1 r90
  text "RX" at 70.347,-8.25 h1
  text "TX" at 70.597,-11.5 h1
  text "+50V" at 92.347,-12.153 h1 r90
  text "+5V" at 80.083,-13.25 h1
  text "+3V3" at 88.583,-13.25 h1
  text "NET TIE" at 46.999,-16.097 h1
  text "ADM" at 56.847,-17 h1
  text "+50V" at 97.115,-17.667 h1 r90
  text "LDL" at 55.597,-18.75 h1
  text "FMC" at 54.347,-20.5 h1
  text "+3V3" at 53.597,-22.25 h1
  text "GND" at 92.347,-23.681 h1 r90
  text "+3V3" at 84.083,-24.35 h1
  text "+5V" at 83.583,-31.95 h1
  text "PWR" at 77.319,-32.347 h1
  text "+1V8" at 42.249,-37.25 h1
Top Paste:
  region: 95,37 cw(c95,35) 97,35 cw(c95,35) 95,33 cw(c95,35) 93,35 cw(c95,35)
  region: 95,-33 cw(c95,-35) 97,-35 cw(c95,-35) 95,-37 cw(c95,-35) 93,-35 cw(c95,-35)
  region: 5,-33 cw(c5,-35) 7,-35 cw(c5,-35) 5,-37 cw(c5,-35) 3,-35 cw(c5,-35)
  region: 5,37 cw(c5,35) 7,35 cw(c5,35) 5,33 cw(c5,35) 3,35 cw(c5,35)
Bottom Paste:
  circle w0.1: c95,-35 r2
  circle w0.1: c95,-35 r2
  region: 95,-33 cw(c95,-35) 97,-35 cw(c95,-35) 95,-37 cw(c95,-35) 93,-35 cw(c95,-35)
  region: 5,-33 cw(c5,-35) 7,-35 cw(c5,-35) 5,-37 cw(c5,-35) 3,-35 cw(c5,-35)
  region: 5,37 cw(c5,35) 7,35 cw(c5,35) 5,33 cw(c5,35) 3,35 cw(c5,35)
  region: 95,37 cw(c95,35) 97,35 cw(c95,35) 95,33 cw(c95,35) 93,35 cw(c95,35)
Bottom Solder:
  drawing of 14 lines, arcs and shapes, not listed
  text "NMR Backend V1.12 / 10/2023 / T. Wirth" at 88.75,29 h1
Outline:
  lines w0.1: 0,-36 4,-40 96,-40 100,-36 100,-35 100,36 96,40 4,40 0,36 0,-36